# Altium PCB PCB.PcbDoc (part 2 of 2)
Units mm, origin at the board's own origin, x right, y up, seen from the top; angles counter-clockwise.
Board outline 100.01 x 69.88 mm, 2 copper layers (Top Layer, Bottom Layer); 124 components, 85 nets, 433 pads, 248 vias.
Unrouted connection lines stored in the file: 2.
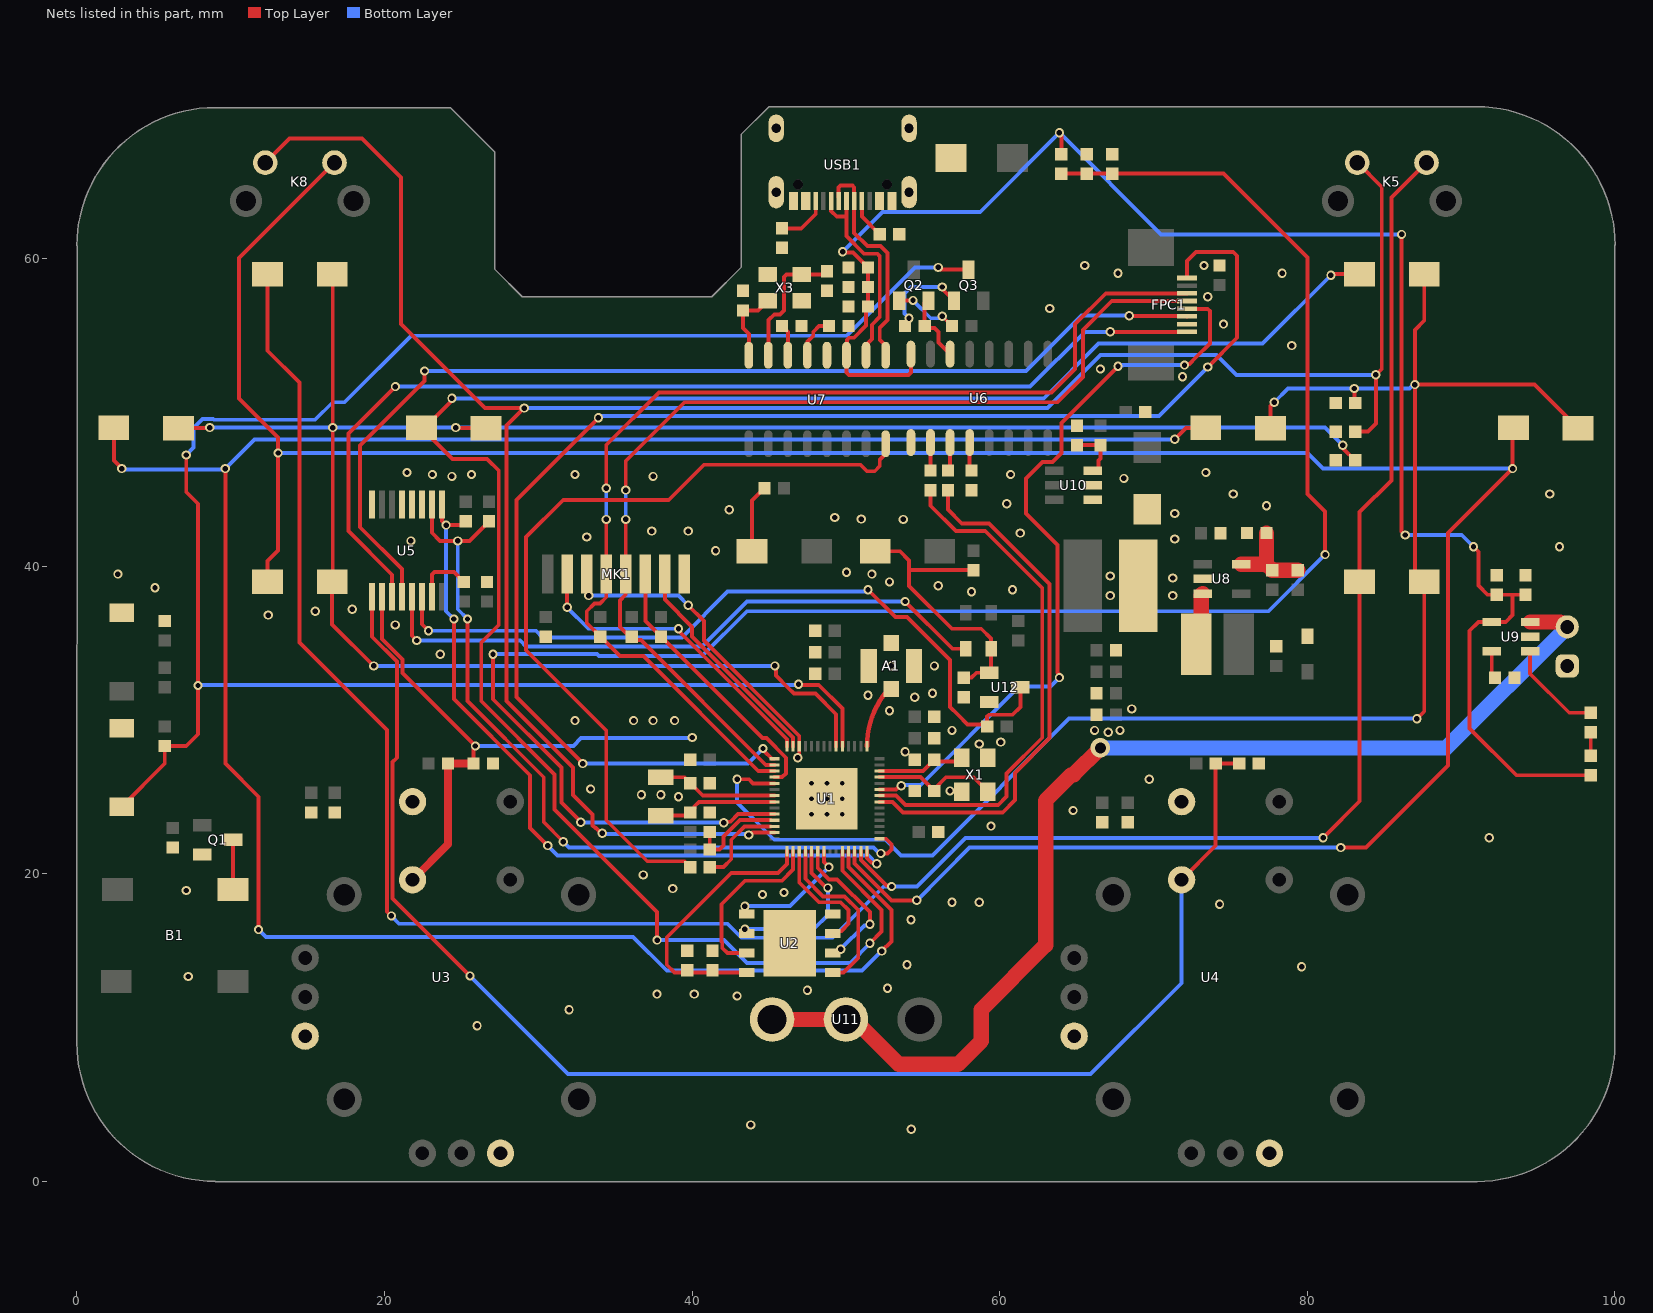
[diagram p2: the nets of this part, all layers, seen from the top]

## Via types
v1: diameter 0.6, hole 0.35, Top Layer to Bottom Layer, tented both sides, 237 vias
v2: diameter 0.61, hole 0.305, Top Layer to Bottom Layer, tented both sides, 9 vias
v3: diameter 1.27, hole 0.711, Top Layer to Bottom Layer, tented both sides, 2 vias

## Nets (pads, with @x,y where several pads share a name; then routed paths per layer and width w, separated by ;. In a path a pad name is that pad's centre, name@x,y a point inside that pad or via, vN(x,y) a via of type N, cw(c..) or ccw(c..) an arc to the next point about the centre after c; other vN are vias at no path point) (continued)
ESP32_P: R3.2 U7.8 | length 54.2
  Top Layer w0.254: R3.2@39.878,20.447 39.497,20.828 37.084,20.828 34.417,23.495 34.417,29.337 29.21,34.544 29.21,41.91 31.623,44.323 38.481,44.323 40.767,46.609 50.938,46.609 51.365,46.182 51.872,46.182 52.197,46.507 52.197,46.92 52.578,47.301 U7.8@52.578,47.976
GND: A1.2 A1.3 A1.4 C1.1 C2.1 C3.1 C4.1 C5.1 C6.1 C7.1 C8.1 C9.1 C10.1 C11.1 C12.1 C13.1 C14.1 C15.1 C18.2 C19.1 C20.1 C21.1 C22.1 C23.1 C24.1 C25.1 C26.1 C27.1 C28.1 C29.1 C30.1 C31.1 C32.1 C33.1 C34.1 C35.1 C36.1 C37.2 C38.1 C40.1 C41.1 C42.1 C43.1 C44.1 C45.1 D3.2 FPC1.2 K1.2 K2.2 MK1.8 P1.1 Q1.2 R6.2 R15.1 R18.1 R22.2 R25.2 R26.1 R30.1 R31.1 R32.1 U1.57 U2.4 U2.9 U3.1 U3.7 U3.10 U4.1 U4.7 U4.10 U5.3 U5.4 U5.5 U5.8 U6.1 U7.12 U8.2 U9.2 U10.2 U12.2 USB1.1 USB1.2 USB1.3 USB1.4 USB1.A1B12 USB1.B1A12 X1.2 X1.4 X3.2 X3.4
  other v1: 54.252,3.401 43.815,3.683 26.022,10.138 32.004,11.176 42.926,12.065 37.719,12.192 40.132,12.192 47.498,12.446 52.705,12.573 7.239,13.335 79.629,13.97 53.975,14.097 54.229,17.018 74.295,18.034 56.896,18.161 58.674,18.161 44.577,18.669 45.974,18.796 7.112,18.923 38.735,19.05 36.83,19.939 91.821,22.352 59.436,23.114 64.77,24.13 39.116,25.019 36.703,25.146 37.973,25.146 56.769,25.4 33.401,25.527 69.723,26.162 53.848,27.94 58.674,28.448 60.071,28.575 67.056,29.21 56.896,29.337 66.167,29.337 67.818,29.337 32.385,29.972 36.195,29.972 37.465,29.972 38.862,29.972 52.832,30.607 68.58,30.734 54.483,31.496 51.435,31.623 55.626,31.75 52.959,33.528 55.753,33.528 23.622,34.29 20.701,36.195 12.446,36.83 15.494,37.084 17.907,37.211 67.183,38.1 71.247,38.1 58.166,38.354 60.833,38.481 5.08,38.608 56.007,38.735 52.832,38.989 71.247,39.243 67.183,39.37 2.667,39.497 51.689,39.497 50.038,39.624 41.529,41.021 96.393,41.275 21.717,41.656 71.374,41.783 33.147,41.91 61.341,42.164 37.379,42.293 39.751,42.291 53.721,43.053 51,43.073 49.276,43.18 71.374,43.434 42.418,43.688 77.343,43.942 60.452,44.069 75.184,44.704 95.758,44.704 68.072,45.72 24.384,45.847 37.465,45.847 23.114,45.974 25.654,45.974 32.385,45.974 60.706,45.974 21.463,46.101 73.406,46.101 71.882,52.324 66.548,52.832 78.994,54.356 74.549,55.753 63.246,56.769 73.533,57.531 67.691,59.055 78.359,59.055 65.532,59.563 73.279,59.563
  other v2: 47.768,23.892 48.768,23.892 49.768,23.892 47.768,24.891 48.768,24.892 49.768,24.892 47.768,25.892 48.768,25.892 49.768,25.892
GPIO0: K1.1 Q3.3 R5.1 U1.5 | length 127.8
  Top Layer w0.254: K1.1@2.921,24.384 5.715,27.178 R5.1@5.715,28.321 7.112,28.321 7.874,29.083 7.874,44.069 7.112,44.831 v1(7.112,47.244) ; v1(46.914,32.332) 46.96,32.287 48.231,32.287 49.768,30.75 U1.5@49.768,28.299 ; v1(56.007,59.436) 56.146,59.297 Q3.3@57.973,59.297
  Bottom Layer w0.254: v1(7.112,47.244) 7.112,47.252 7.59,47.729 7.59,48.992 8.174,49.576 8.865,49.576 8.911,49.53 15.494,49.53 16.637,50.673 17.399,50.673 21.717,54.991 50.038,54.991 54.483,59.436 v1(56.007,59.436) ; v1@7.903,32.287 7.911,32.295 46.877,32.295 v1(46.914,32.332)
  other v1: 7.874,32.258
GT_24_CSN: MK1.3 U1.12 | length 21.1
  Top Layer w0.254: MK1.3@33.147,39.497 33.274,39.37 v1(33.274,38.1) ; v1(39.751,37.465) 40.767,36.449 40.767,35.179 46.968,28.978 46.968,27.664 v1(46.863,27.559)
  Bottom Layer w0.254: v1(33.274,38.1) 39.116,38.1 v1(39.751,37.465)
GT_24_IRQ: MK1.7 U1.13 | length 14.7
  Top Layer w0.254: MK1.7@38.227,39.497 38.227,37.846 40.005,36.068 40.005,35.433 46.568,28.87 U1.13@46.568,28.299
IIC_SCL: R13.2 U1.42 U5.1 | length 49.5
  Top Layer w0.254: U5.1@23.738,44.021 23.738,42.948 v1(24.003,42.683) 25.03,42.683 R13.2@25.273,42.926 ; v1(24.511,36.576) 24.511,31.369 29.464,26.416 29.464,22.987 v1(30.607,21.844) ; U1.42@51.368,21.484 51.368,21.022 51.661,20.729 51.936,20.729 v1(52.003,20.663)
  Bottom Layer w0.254: v1(24.003,42.683) 24.003,37.084 v1(24.511,36.576) ; v1(30.607,21.844) 31.242,21.209 51.456,21.209 v1(52.003,20.663)
IIC_SDA: R12.2 U1.43 U5.2 | length 51.7
  Top Layer w0.254: U5.2@23.088,44.021 23.088,42.186 23.618,41.656 25.527,41.656 R12.2@26.797,42.926 ; v1(25.4,36.576) 25.4,31.242 30.353,26.289 30.353,23.368 v1(31.623,22.098) ; U1.43@52.176,22.292 52.597,22.292 52.959,21.93 52.959,21.59 52.705,21.336 v1(52.277,21.336)
  Bottom Layer w0.254: v1(24.765,41.656) 24.765,37.211 v1(25.4,36.576) ; v1(31.623,22.098) 32.004,21.717 51.803,21.717 52.184,21.336 v1(52.277,21.336)
IO_N: R1.2 R2.1 U1.25 | length 6.2
  Top Layer w0.254: R1.2@41.148,22.733 R2.1@41.148,21.59 41.783,21.59 42.037,21.844 42.037,22.435 43.108,23.507 U1.25@45.085,23.507
IO_P: R3.1 U1.26 | length 5.8
  Top Layer w0.254: R3.1@41.148,20.447 42.037,20.447 42.545,20.955 42.545,22.225 43.412,23.092 U1.26@45.085,23.092
KET_y: K12.1 K13.1 U1.38 | length 129.5
  Top Layer w0.254: v1(24.384,50.927) 24.318,50.861 24.318,50.718 22.6,49 K12.1@22.4,49 24.41,46.99 26.657,46.99 27.426,46.222 27.426,36.189 26.289,35.052 26.289,31.242 31.064,26.467 31.064,24.181 37.724,17.521 v1(37.724,15.702) ; U1.38@49.768,21.484 49.768,20.209 52.324,17.653 52.324,16.256 v1(51.562,15.494) ; v1(81.534,58.928) 81.606,59 K13.1@83.4,59
  Bottom Layer w0.254: v1(24.384,50.927) 62.865,50.927 66.421,54.483 77.089,54.483 v1(81.534,58.928) ; v1(37.724,15.702) 42.083,15.702 43.561,14.224 50.292,14.224 v1(51.562,15.494)
KEY_1: C22.2 R10.1 U3.3 U5.10 | length 37.9
  Top Layer w0.254: U5.10@19.838,38.021 19.838,35.275 21.158,33.955 21.158,33.071 v1(25.908,28.321) 25.908,28.227 25.781,28.1 C22.2@25.781,27.178
  Top Layer w0.5: U3.3@21.825,19.62 24.13,21.925 R10.1@24.13,27.178 C22.2@25.781,27.178
  Bottom Layer w0.254: v1(25.908,28.321) 32.279,28.321 32.787,28.829 39.959,28.829 v1(40.005,28.875)
kEY_2: C23.2 R11.1 U4.3 U5.9 | length 95.6
  Top Layer w0.254: U5.9@19.188,38.021 19.188,35.422 20.803,33.807 20.803,27.555 20.528,27.28 20.528,18.4 v1(25.556,13.372) ; U4.3@71.825,19.62 74.041,21.836 R11.1@74.041,27.178 C23.2@75.565,27.178
  Bottom Layer w0.254: v1(25.556,13.372) 31.943,6.985 65.913,6.985 71.825,12.897 U4.3@71.825,19.62
KEY_a: K3.1 K4.1 K5.1 U1.41 | length 158.7
  Top Layer w0.254: K3.1@12.4,59 12.4,54.021 14.478,51.943 14.478,35.052 20.172,29.358 20.172,17.547 v1(20.447,17.272) ; U1.41@50.968,21.484 50.968,20.914 52.639,19.243 52.914,19.243 v1(52.97,19.188) ; v1@81.153,22.479 83.4,24.726 K4.1@83.4,39 83.4,43.522 85.471,45.593 85.471,63.971 K5.1@87.75,66.25
  Bottom Layer w0.254: v1(20.447,17.272) 20.955,16.764 42.297,16.764 43.205,15.857 49.131,15.857 52.462,19.188 v1(52.97,19.188) ; v1@52.959,19.177 54.61,19.177 57.785,22.352 v1(81.026,22.352)
KEY_b: K6.1 K7.1 K8.1 U1.40 | length 179.6
  Top Layer w0.254: K6.1@12.4,39 12.4,40.34 13.081,41.021 v1(13.081,47.371) 13.081,48.387 10.541,50.927 10.541,60.041 K8.1@16.75,66.25 ; U1.40@50.568,21.484 50.568,20.679 52.959,18.288 v1(54.61,18.288) ; v1(82.169,21.717) 83.82,21.717 89.154,27.051 89.154,42.164 v1(93.345,46.355) 93.345,48.945 K7.1@93.4,49
  Bottom Layer w0.254: v1(13.081,47.371) 80.01,47.371 81.026,46.355 v1(93.345,46.355) ; v1(54.61,18.288) 56.294,19.972 58.039,21.717 v1(82.169,21.717)
KEY_DOWN_1: C19.2 K3.2 K6.2 K9.2 K12.2 U1.6 | length 139.8
  Top Layer w0.254: K9.2@6.6,48.987 v1@8.601,48.987 ; K3.2@16.6,58.987 16.637,58.95 16.637,39.024 K6.2@16.6,38.987 16.6,36.232 v1(19.304,33.528) ; v1@24.673,48.987 K12.2@26.6,48.987 ; v1(45.385,33.528) 45.451,33.462 45.451,32.898 46.243,32.106 46.616,31.733 48.023,31.733 49.368,30.388 U1.6@49.368,28.299 ; v1(82.296,47.879) 82.362,47.813 82.362,47.641 C19.2@83.113,46.89
  Bottom Layer w0.254: v1(8.636,49.022) v1(16.637,49.022) v1(24.638,49.022) 81.153,49.022 v1(82.296,47.879) ; v1(19.304,33.528) v1(45.385,33.528)
KEY_DOWN_2: C20.2 K4.2 K7.2 K10.2 K13.2 U1.19 | length 107.1
  Top Layer w0.254: v1(42.923,26.161) 43.689,26.161 43.958,25.892 U1.19@45.361,25.892 ; K10.2@77.6,48.987 77.6,50.422 v1(77.851,50.673) ; v1(83.058,51.562) 83.058,50.683 C20.2@83.113,50.628 ; v1(87.122,30.099) 87.6,30.577 K4.2@87.6,38.987 86.995,39.592 v1(86.995,51.816) ; K13.2@87.6,58.987 87.6,55.977 86.995,55.372 v1(86.995,51.816) ; K7.2@97.6,48.987 94.771,51.816 v1(86.995,51.816)
  Bottom Layer w0.254: v1@42.926,26.162 42.926,24.638 45.339,22.225 52.578,22.225 53.594,21.209 55.626,21.209 64.516,30.099 v1(87.122,30.099) ; v1(77.851,50.673) 78.74,51.562 v1(83.058,51.562) 86.647,51.562 86.901,51.816 v1(86.995,51.816)
KEY_DOWN_3: C21.2 K5.2 K8.2 U1.27 | length 149.1
  Top Layer w0.254: K8.2@12.25,66.25 13.818,67.818 18.542,67.818 21.082,65.278 21.082,55.753 26.543,50.292 v1(29.083,50.292) 27.94,49.149 27.94,31.242 32.258,26.924 32.258,25.146 33.528,23.876 33.528,23.16 33.708,22.98 33.741,22.98 34.069,22.652 v1(34.163,22.652) ; v1(43.688,22.538) 43.782,22.538 43.936,22.692 U1.27@45.361,22.692 ; C21.2@83.113,48.759 83.938,48.759 84.455,49.276 v1(84.455,52.451) 84.836,52.832 84.836,64.664 K5.2@83.25,66.25
  Bottom Layer w0.254: v1(29.083,50.292) 63.119,50.292 66.557,53.73 74.104,53.73 75.382,52.451 v1(84.455,52.451) ; v1(34.163,22.652) 34.22,22.595 43.631,22.595 v1(43.688,22.538)
KEY_left: K9.1 K10.1 U1.39 | length 155.4
  Top Layer w0.254: K9.1@2.4,49 2.4,46.876 v1(2.921,46.355) ; v1(9.652,46.355) 9.652,27.178 11.811,25.019 v1(11.811,16.383) ; U1.39@50.168,21.484 50.168,20.444 52.959,17.653 52.959,15.621 v1(52.324,14.986) ; v1(71.374,48.26) 72.114,49 K10.1@73.4,49
  Bottom Layer w0.254: v1(2.921,46.355) 2.967,46.309 9.606,46.309 v1(9.652,46.355) 11.557,48.26 v1(71.374,48.26) ; v1(11.811,16.383) 12.294,15.9 36.17,15.9 38.354,13.716 51.054,13.716 v1(52.324,14.986)
KEY_OUT: C16.1 D7.2 K11.1 R30.2 U12.1 | length 19.1
  Top Layer w0.254: K11.1@51.9,40.983 53.505,40.983 54.102,40.386 54.102,39.751 ; R30.2@57.658,32.766 58.166,32.766 58.481,33.081 U12.1@59.321,33.081 59.436,33.196 D7.2@59.436,34.641 59.436,35.306 58.801,35.941 56.896,35.941 54.102,38.735 54.102,39.751 ; C16.1@58.293,39.751 54.102,39.751
KEY_select: C17.1 K14.1 | length 4.4
  Top Layer w0.254: K14.1@43.9,40.983 43.9,44.281 C17.1@44.704,45.085
KEY_start: R27.1 U5.14 U12.3 | length 50
  Top Layer w0.254: U5.14@22.438,38.021 22.438,36.236 v1(22.86,35.814) ; v1(51.435,38.481) 53.213,36.703 53.975,36.703 56.769,33.909 56.769,30.861 57.277,30.353 57.912,29.718 59.055,29.718 R27.1@59.182,29.591 59.182,29.718 59.182,30.226 59.309,30.353 60.833,30.353 61.341,30.861 U12.3@61.341,32.131
  Bottom Layer w0.254: v1(22.86,35.814) 29.845,35.814 30.272,35.387 39.345,35.387 42.312,38.354 51.308,38.354 v1(51.435,38.481)
KEY_USB: C44.2 R28.1 R31.2 U1.24 | length 121.1
  Top Layer w0.254: v1(27.051,34.29) 27.051,31.359 31.496,26.914 31.496,24.638 v1(32.766,23.368) ; v1(42.055,23.332) 42.122,23.399 42.497,23.399 42.991,23.892 U1.24@45.361,23.892 ; R28.1@64.008,65.532 R31.2@65.659,65.532 C44.2@67.31,65.532 74.549,65.532 80.01,60.071 80.01,44.704 81.153,43.561 v1(81.153,40.767)
  Bottom Layer w0.254: v1(27.051,34.29) 33.829,34.29 33.956,34.163 40.64,34.163 43.561,37.084 77.47,37.084 v1(81.153,40.767) ; v1(32.766,23.368) 32.784,23.35 42.038,23.35 v1(42.055,23.332)
LCD_LEDA: FPC1.1 U5.11 | length 69
  Top Layer w0.254: U5.11@20.488,38.021 20.488,39.456 17.653,42.291 17.653,48.633 20.205,51.185 v1(20.709,51.689) ; v1(67.188,55.25) FPC1.1@72.175,55.25
  Bottom Layer w0.254: v1(20.709,51.689) 61.976,51.689 65.537,55.25 v1(67.188,55.25)
LCD_REST: FPC1.3 U5.12 | length 68.6
  Top Layer w0.254: U5.12@21.138,38.021 21.138,39.822 18.415,42.545 18.415,47.858 21.692,51.135 22.606,52.049 v1(22.606,52.705) ; v1(68.415,56.298) 68.44,56.273 72.152,56.273 FPC1.3@72.175,56.25
  Bottom Layer w0.254: v1(22.606,52.705) 61.722,52.705 65.315,56.298 v1(68.415,56.298)
LCD_RS: FPC1.4 U1.51 | length 48.9
  Top Layer w0.254: U1.51@52.176,25.492 53.254,25.492 53.5,25.738 v1(53.594,25.738) ; v1(63.881,32.766) 63.815,32.832 63.815,33.027 63.754,33.088 63.754,41.402 61.722,43.434 61.722,45.72 62.791,46.789 63.426,46.789 64.008,47.371 64.008,49.322 v1(67.691,53.005) ; v1(72.017,53.086) 72.083,53.152 72.329,53.152 72.741,53.564 73.66,54.483 73.66,56.593 73.511,56.742 72.183,56.742 FPC1.4@72.175,56.75
  Bottom Layer w0.254: v1@53.594,25.781 54.864,25.781 61.265,32.182 63.297,32.182 v1(63.881,32.766) ; v1(67.691,53.005) 67.757,53.071 67.998,53.071 68.013,53.086 v1(72.017,53.086)
NetA1_1: A1.1 U1.1 | length 4.3
  Top Layer w0.3: U1.1@51.368,28.299 cw(c57.017,28.299) A1.1@52.906,32.174
NetB1_2: B1.2 Q1.3 | length 3.2
  Top Layer w0.254: B1.2@10.145,18.982 10.145,22.21 Q1.3@10.16,22.225
NetC33_2: C33.2 U7.14 | length 2.1
  Top Layer w0.254: C33.2@45.847,55.626 46.228,55.245 U7.14@46.228,53.721
NetC34_2: C34.2 U7.13 | length 2.9
  Top Layer w0.254: U7.13@47.498,53.721 47.498,54.61 47.879,54.991 47.879,55.245 48.26,55.626 C34.2@48.895,55.626
NetC36_2: C36.2 U6.4 | length 1.9
  Top Layer w0.254: U6.4@58.039,48.054 58.039,46.355 C36.2@58.166,46.228
NetC39_1: C39.1 R23.2 R25.1 U8.5 | length 5.9
  Top Layer w1: U8.5@75.692,40.132 R23.2@77.343,40.132 ; R25.1@77.343,42.164 R23.2@77.343,40.132 ; C39.1@79.375,39.751 R23.2@77.724,39.751 R23.2@77.343,40.132
NetD2_2: D2.2 L1.2 U10.1
NetL2_1: L2.1 U8.3 | length 3.5
  Top Layer w1: L2.1@72.771,34.925 73.092,35.246 73.092,38.132 U8.3@73.192,38.232
"NetLED 1_1": "LED 1.1" R21.2 | length 1.5
  Top Layer w0.254: R21.2@98.425,27.686 98.425,29.21
"NetLED 1_2": "LED 1.2" U9.1 | length 6.5
  Top Layer w0.254: U9.1@94.488,34.483 94.488,33.02 97.028,30.48 98.425,30.48
NetP1_2: P1.2 U9.3 U11.1 U11.2 | length 73.9
  Top Layer w1: U11.1@45.2,10.541 U11.2@50,10.541 50.526,10.541 53.447,7.62 57.277,7.62 58.801,9.144 58.801,11.176 62.992,15.367 62.992,24.765 64.681,26.454 64.808,26.454 v3(66.548,28.194) ; U9.3@94.488,36.383 96.451,36.383 96.766,36.068 P1.2@96.901,36.068
  Bottom Layer w1: v3(66.548,28.194) 89.027,28.194 P1.2@96.901,36.068
NetQ2_1: Q2.1 R19.2 | length 4.1
  Top Layer w0.254: Q2.1@53.465,57.38 53.569,57.277 v1@54.356,57.277 ; v1(56.261,56.261) R19.2@56.896,55.626
  Bottom Layer w0.254: v1(54.36,57.291) 55.517,56.134 v1@56.134,56.134
NetQ3_1: Q3.1 R20.2 | length 6.3
  Top Layer w0.254: R20.2@53.848,55.499 54.102,55.753 v1(54.102,56.134) ; v1(56.261,58.166) 56.261,58.039 Q3.1@57.023,57.277
  Bottom Layer w0.254: v1(54.102,56.134) 53.806,56.43 53.806,57.743 54.229,58.166 v1(56.261,58.166)
NetR14_2: R14.2 U5.15 | length 3.8
  Top Layer w0.254: U5.15@23.088,38.021 23.088,39.471 23.241,39.624 24.511,39.624 R14.2@25.146,38.989
NetR15_2: R15.2 USB1.A5 | length 2.6
  Top Layer w0.254: USB1.A5@51.038,63.754 51.038,62.746 52.189,61.595 R15.2@52.197,61.595
NetR16_1: R16.1 U6.2 | length 1.8
  Top Layer w0.254: R16.1@55.499,46.228 U6.2@55.499,48.054
NetR17_1: R17.1 U6.3 | length 1.9
  Top Layer w0.254: R17.1@56.642,46.228 56.769,46.355 U6.3@56.769,48.054
NetR18_2: R18.2 USB1.B5 | length 3.4
  Top Layer w0.254: R18.2@45.847,61.976 47.095,61.976 48.038,62.919 USB1.B5@48.038,63.754
NetR22_1: R22.1 U9.5 | length 1.8
  Top Layer w0.254: U9.5@91.988,34.483 91.988,32.98 R22.1@92.202,32.766
NetR24_1: R24.1 R26.2 U10.3 | length 3.4
  Top Layer w0.254: R26.2@65.024,47.879 R24.1@66.548,47.879 66.548,47 66.421,46.873 U10.3@66.421,46.101
POWER_EN: D8.2 U5.13 | length 41.3
  Top Layer w0.254: U5.13@21.788,38.021 21.788,35.489 v1(22.098,35.179) ; v1(53.849,37.719) 56.926,34.641 D8.2@57.785,34.641
  Bottom Layer w0.254: v1(22.098,35.179) 28.829,35.179 29.21,34.798 40.64,34.798 43.561,37.719 v1(53.849,37.719)
RTS: Q2.2 R20.1 U6.14 | length 4.7
  Top Layer w0.254: Q2.2@55.37,57.38 55.118,57.128 55.118,55.499 55.753,55.499 56.008,55.244 56.008,54.561 U6.14@56.769,53.8
SPI2_CLK: FPC1.6 MK1.4 R7.1 U1.17 | length 72.1
  Top Layer w0.254: v1(34.417,43.053) MK1.4@34.417,39.497 34.417,37.994 34.015,37.592 33.655,37.592 33.147,37.084 33.147,36.322 R7.1@34.036,35.433 35.306,34.163 36.83,34.163 44.301,26.692 U1.17@45.361,26.692 ; v1(34.417,45.085) 34.417,47.879 37.846,51.308 63.373,51.308 64.897,52.832 64.897,55.753 66.894,57.75 FPC1.6@72.175,57.75
  Bottom Layer w0.254: v1(34.417,43.053) v1(34.417,45.085)
SPI2_CS0: FPC1.8 U1.15 | length 93.4
  Top Layer w0.254: v1(32.893,27.178) 28.575,31.496 28.575,44.323 v1(33.909,49.657) ; v1(44.61,28.161) 44.676,28.095 44.676,27.998 45.182,27.492 U1.15@45.361,27.492 ; FPC1.8@72.175,58.75 72.175,59.856 72.771,60.452 75.184,60.452 75.438,60.198 75.438,54.864 v1(73.533,52.959)
  Bottom Layer w0.254: v1(32.893,27.178) 43.627,27.178 v1(44.61,28.161) ; v1(33.909,49.657) 34.036,49.784 70.358,49.784 v1(73.533,52.959)
SPI2_CS1: MK1.2 U1.14 | length 20.5
  Top Layer w0.254: v1(31.877,37.338) MK1.2@31.877,39.497 ; v1(39.116,35.941) 39.182,35.875 39.182,35.748 46.168,28.762 U1.14@46.168,28.299
  Bottom Layer w0.254: v1(31.877,37.338) 33.274,35.941 v1(39.116,35.941)
SPI2_MISO: MK1.6 R9.1 U1.18 | length 17.7
  Top Layer w0.254: MK1.6@36.957,39.497 36.957,36.449 44.577,28.829 44.831,28.829 46.101,27.559 46.101,26.543 45.85,26.292 U1.18@45.361,26.292
SPI2_MOSI: FPC1.5 MK1.5 R8.1 U1.16 | length 67.3
  Top Layer w0.254: v1(35.687,43.053) MK1.5@35.687,39.497 35.687,38.163 35.306,37.782 35.306,36.068 35.941,35.433 R8.1@36.068,35.433 36.293,35.208 36.674,35.208 44.79,27.092 U1.16@45.361,27.092 ; v1(35.687,44.958) 35.687,46.863 39.497,50.673 63.754,50.673 65.405,52.324 65.405,55.372 67.283,57.25 FPC1.5@72.175,57.25
  Bottom Layer w0.254: v1(35.687,43.053) v1(35.687,44.958)
SPICLK: U1.33 U2.6 | length 10.4
  Top Layer w0.254: U1.33@47.768,21.484 47.768,20.071 48.743,19.096 v1(48.828,19.096)
  Bottom Layer w0.254: v1(43.434,16.411) 47.907,16.411 48.828,17.332 v1(48.828,19.096)
SPICS0: U1.32 U2.1 | length 11.2
  Top Layer w0.254: U1.32@47.368,21.484 47.368,19.688 48.514,18.542 49.911,18.542 50.8,17.653 50.8,14.538 49.85,13.589 U2.1@49.155,13.589
SPID: U1.35 U2.5 | length 7.7
  Top Layer w0.254: U1.35@48.568,21.484 48.568,20.774 v1(48.895,20.447)
  Bottom Layer w0.254: v1(43.434,17.907) 46.355,17.907 v1(48.895,20.447)
SPIHD: U1.30 U2.7 | length 11.4
  Top Layer w0.254: U2.7@43.555,14.859 42.291,14.859 41.958,15.192 41.958,15.557 41.91,15.605 41.91,18.034 43.434,19.558 45.847,19.558 46.568,20.279 U1.30@46.568,21.484
SPIQ: U1.34 U2.2 | length 9
  Top Layer w0.254: U1.34@48.168,21.484 48.168,20.39 48.909,19.65 49.433,19.65 51.562,17.521 v1(51.562,16.724)
  Bottom Layer w0.254: v1(49.657,15.113) 51.202,16.658 51.496,16.658 v1(51.562,16.724)
SPIWP: U1.31 U2.3 | length 8.1
  Top Layer w0.254: U1.31@46.968,21.484 46.968,19.453 48.26,18.161 49.657,18.161 50.165,17.653 50.165,16.764 49.703,16.302 49.328,16.302 U2.3@49.155,16.129
U0RXD: R16.2 U1.50 | length 33.8
  Top Layer w0.254: U1.50@52.176,25.092 53.267,25.092 53.873,24.486 59.902,24.486 60.452,25.036 60.452,26.543 62.763,28.854 62.763,38.588 59.06,42.291 57.15,42.291 55.499,43.942 R16.2@55.499,44.958
U0TXD: R17.2 U1.49 | length 34.3
  Top Layer w0.254: U1.49@52.176,24.692 53.032,24.692 53.721,24.003 60.198,24.003 60.993,24.798 60.993,26.576 63.246,28.829 63.246,38.862 59.309,42.799 57.531,42.799 56.642,43.688 R17.2@56.642,44.958
"USB 5V": C31.2 C32.2 C35.2 C41.2 C42.2 D1.2 R21.1 R28.2 U6.16 U7.11 U9.4 USB1.A4B9 USB1.B4A9 | length 109.3
  Top Layer w0.254: v1(49.784,60.452) 49.83,60.406 50.465,60.406 C31.2@51.435,59.436 C32.2@51.435,58.166 C35.2@51.435,56.896 51.311,56.772 51.311,55.648 50.526,54.864 50.212,54.864 50.063,54.715 50.063,53.746 U7.11@50.038,53.721 50.038,52.6 50.187,52.451 54.08,52.451 54.229,52.6 U6.16@54.229,53.8 ; v1(63.881,68.199) 63.881,68.105 64.008,67.978 R28.2@64.008,66.802 ; v1(86.129,61.583) 86.129,42.268 v1(86.36,42.037) ; v1(90.805,41.275) 91.131,40.949 91.131,38.75 91.725,38.155 C42.2@92.32,38.155 93.345,38.155 ; C41.2@94.189,38.155 93.345,38.155 ; R21.1@98.425,26.416 93.599,26.416 90.551,29.464 90.551,35.814 91.12,36.383 U9.4@91.988,36.383 92.898,36.383 93.345,36.83 93.345,38.155
  Bottom Layer w0.254: v1(49.784,60.452) 52.383,63.051 58.733,63.051 v1(63.881,68.199) 70.497,61.583 v1(86.129,61.583) ; v1(86.36,42.037) 90.043,42.037 v1(90.805,41.275)
USB_N: U7.9 USB1.A7 USB1.B7 | length 14.4
  Top Layer w0.254: USB1.A7@49.53,64.008 49.53,64.643 49.657,64.77 50.419,64.77 50.538,64.651 USB1.B7@50.538,63.754 50.538,62.738 50.538,61.686 51.391,60.833 52.259,60.833 52.705,60.387 52.705,56.007 52.197,55.499 52.197,54.737 52.578,54.356 U7.9@52.578,53.721
USB_P: U7.10 USB1.A6 USB1.B6 | length 13.6
  Top Layer w0.254: USB1.B6@49.038,63.754 49.038,63.103 49.403,62.738 50.03,62.738 ; USB1.A6@50.03,63.754 50.03,62.738 ; U7.10@51.308,53.721 51.308,54.396 51.689,54.777 51.689,55.709 52.197,56.217 52.197,60.176 52.048,60.325 51.181,60.325 50.03,61.476 50.03,62.738
VDD_SPI: C12.2 C13.2 U1.29 U2.8 | length 17.8
  Top Layer w0.254: U2.8@43.555,13.589 38.862,13.589 38.354,14.097 38.354,15.875 42.545,20.066 45.593,20.066 46.168,20.641 U1.29@46.168,21.484
XH32_N: C9.2 U1.22 X2.2 | length 7.8
  Top Layer w0.254: X2.2@37.973,23.789 39.537,23.789 39.878,24.13 40.005,24.13 40.151,24.276 40.151,24.403 40.44,24.692 43.203,24.692 U1.22@45.361,24.692
XH32_P: C8.2 U1.21 X2.1 | length 7.9
  Top Layer w0.254: X2.1@37.973,26.289 39.497,26.289 C8.2@39.878,25.908 40.694,25.092 43.306,25.092 U1.21@45.361,25.092
XH_N: C2.2 U1.53 X1.3 | length 8.1
  Top Layer w0.254: U1.53@52.176,26.292 54.861,26.292 C2.2@55.753,25.4 ; C2.2@55.753,25.527 56.515,26.289 58.301,26.289 X1.3@59.231,25.359
XH_P: C1.2 U1.54 X1.1 | length 5.8
  Top Layer w0.254: U1.54@52.176,26.692 55.013,26.692 C1.2@55.753,27.432 ; C1.2@55.753,27.305 57.277,27.305 X1.1@57.531,27.559
XIN: C29.2 U7.16 X3.1 | length 5
  Top Layer w0.254: U7.16@43.688,53.721 43.688,55.118 43.307,55.499 C29.2@43.307,56.642 44.282,56.642 X3.1@44.917,57.277
XOUT: C30.2 U7.15 X3.3 | length 8.7
  Top Layer w0.254: U7.15@44.958,53.721 44.958,56.007 45.339,56.388 45.72,56.388 45.974,56.642 45.974,58.801 46.15,58.977 X3.3@47.117,58.977 48.563,58.977 C30.2@48.768,59.182
pads on no net: B1.3 FPC1.9 FPC1.10 K5.3 K5.4 K8.3 K8.4 U1.28 U1.36 U1.37 U1.44 U1.45 U1.47 U1.48 U1.52 U3.2 U3.4 U3.MOUNT1 U3.MOUNT2 U3.MOUNT3 U3.MOUNT4 U4.2 U4.4 U4.MOUNT1 U4.MOUNT2 U4.MOUNT3 U4.MOUNT4 U5.6 U5.7 U6.7 U6.8 U6.9 U6.10 U6.11 U6.12 U6.15 U7.1 U7.2 U7.3 U7.4 U10.6 USB1. USB1.A8 USB1.B8

## Polygon pours and split planes (outlines as drawn)
GND on Top Layer "GND_L01_P001" (solid, remove dead copper, pour order 1): 0,9.017 ccw(c9,9.017) 9,0.017 9,0 91.059,0 91,0 ccw(c91,9) 100,9 100,60.895 100.011,60.884 ccw(c91.011,60.884) 91.011,69.884 44.992,69.884 43.18,68.072 43.18,59.436 41.275,57.531 28.956,57.531 27.178,59.309 27.178,66.929 24.274,69.833 9,69.833 ccw(c9,60.833) 0,60.833 0.02,60.833
"USB 5V" on Top Layer "USB_5V_L01_P000" (solid, pour order 0): 46.609,62.95 46.609,69.342 46.99,69.723 64.516,69.723 65.786,68.453 65.786,67.564 63.119,67.564 62.865,67.31 62.738,67.437 58.547,67.437 58.547,65.913 57.531,64.897 54.229,64.897 52.07,62.738 47.244,62.738
GND on Bottom Layer "GND_L02_P002" (solid, remove dead copper, pour order 2): 0,9.017 ccw(c9,9.017) 9,0.017 9,0 91.059,0 91,0 ccw(c91,9) 100,9 100,60.895 100.011,60.884 ccw(c91.011,60.884) 91.011,69.884 44.992,69.884 43.18,68.072 43.18,59.436 41.275,57.531 28.956,57.531 27.178,59.309 27.178,66.929 24.274,69.833 9,69.833 ccw(c9,60.833) 0,60.833 0.02,60.833

## Keep-outs
Keep-Out Layer:
  circle w0.1: c95,65 r2
  circle w0.1: c95,5 r2
  circle w0.1: c5,5 r2
  circle w0.1: c5,65 r2
  circle w0.15: c95,65 r1.2
  circle w0.15: c95,5 r1.2
  circle w0.15: c5,5 r1.2
  circle w0.15: c5,65 r1.2
  lines w0.254: 0,9.017 ccw(c9,9.017) 9,0.017 ; 0,60.833 cw(c9,60.833) 9,69.833 24.274,69.833 27.178,66.929 27.178,59.309 28.956,57.531 41.275,57.531 43.18,59.436 43.18,68.072 44.992,69.884 91.011,69.884 cw(c91.011,60.884) 100.011,60.884 ; 0.02,9.017 0.02,60.833 ; 9,0 91.059,0 ; 91,0 ccw(c91,9) 100,9 100,60.895

## Other copper
Top Layer:
  rectangle net 3.3V: 77.089,36.703 79.121,38.989
  rectangle net 3.3V: 74.549,35.941 79.121,36.957
  rectangle net 3.3V: 74.549,30.988 80.391,34.163
  rectangle net 3.3V: 77.089,38.1 79.629,38.989
  rectangle net NetD2_2: 68.707,41.656 70.231,43.053
  rectangle net BAT: 64.135,34.163 66.675,36.068
  rectangle net NetD2_2: 65.786,43.434 69.977,44.45
  rectangle net BAT: 64.135,41.656 66.675,43.307

## Silkscreen, mask and mechanical layers (free items; w line width, h text height)
Top Overlay:
  circle w0.254: c85.5,49 r1.27
  circle w0.254: c14.5,49 r1.27
  lines w0.254: 4.5,49 24.5,49 ; 8.382,57.023 9.525,58.166 ; 9.525,53.594 9.525,58.166 ; 10.668,57.023 9.525,58.166 ; 14.5,39 14.5,59 ; 25,12 75,12 ; 46,40.983 54,40.983 ; 50,64.897 50,69.897 ; 75.5,49 95.5,49 ; 85.5,39 85.5,59 ; 37.545,49.57 62.455,49.57 62.455,64.43 37.545,64.43 37.545,49.57
  text "RST" at 1.143,38.251 h2
  text "+ -" at 97.506,36.957 h1.52 r270
  text "REMOTE v1.2" at 9.652,31.785 h3
  text "2024/6/22" at 9.652,29.245 h3
  text "IO0" at 1.216,22.133 h2
  text "ON" at 57.023,2.575 h3
  text "OFF" at 37.846,2.448 h3
Bottom Overlay:
  text "+ -" at 90.14,37.084 h1.52 r270
Top Solder:
  circle w1: c95,65 r1.5
  circle w1: c95,5 r1.5
  circle w1: c5,5 r1.5
  circle w1: c5,65 r1.5
Bottom Solder:
  circle w1: c5,65 r1.5
  circle w1: c95,65 r1.5
  circle w1: c95,5 r1.5
  circle w1: c5,5 r1.5
Mechanical 5:
  circle w0.254: c50,57 r1.27
  lines w0.254: 37.545,57 62.455,57 ; 50,40.983 50,49.483 ; 50,49.57 50,64.43

## Dimensions
5,66.2 to 4.941,63.8 on Mechanical 5
91.011,69.884 to 91.059,0 on Mechanical 5
0.02,60.833 to 100,60.895 on Mechanical 5

## Text inside footprints (layer, text, board x,y; h text height)
B1: Top Overlay "-" at 11.978,19.654 h1.14 r270; Top Overlay "+" at 12.703,12.934 h1.14 r45
MK1: Top Overlay "nRF24L01" at 35.433,43.307 h0.76 r90
U3: Mechanical 15 "AI" at 30.312,-1.696 h1.2 r73
U4: Mechanical 15 "AI" at 80.312,-1.696 h1.2 r73
X1: Top Overlay "*" at 55.548,29.718 h1.52 r270
X3: Top Overlay "*" at 42.758,55.294 h1.52